# Allegro board REF_038HX-888005K4R-A100.brd (continued)
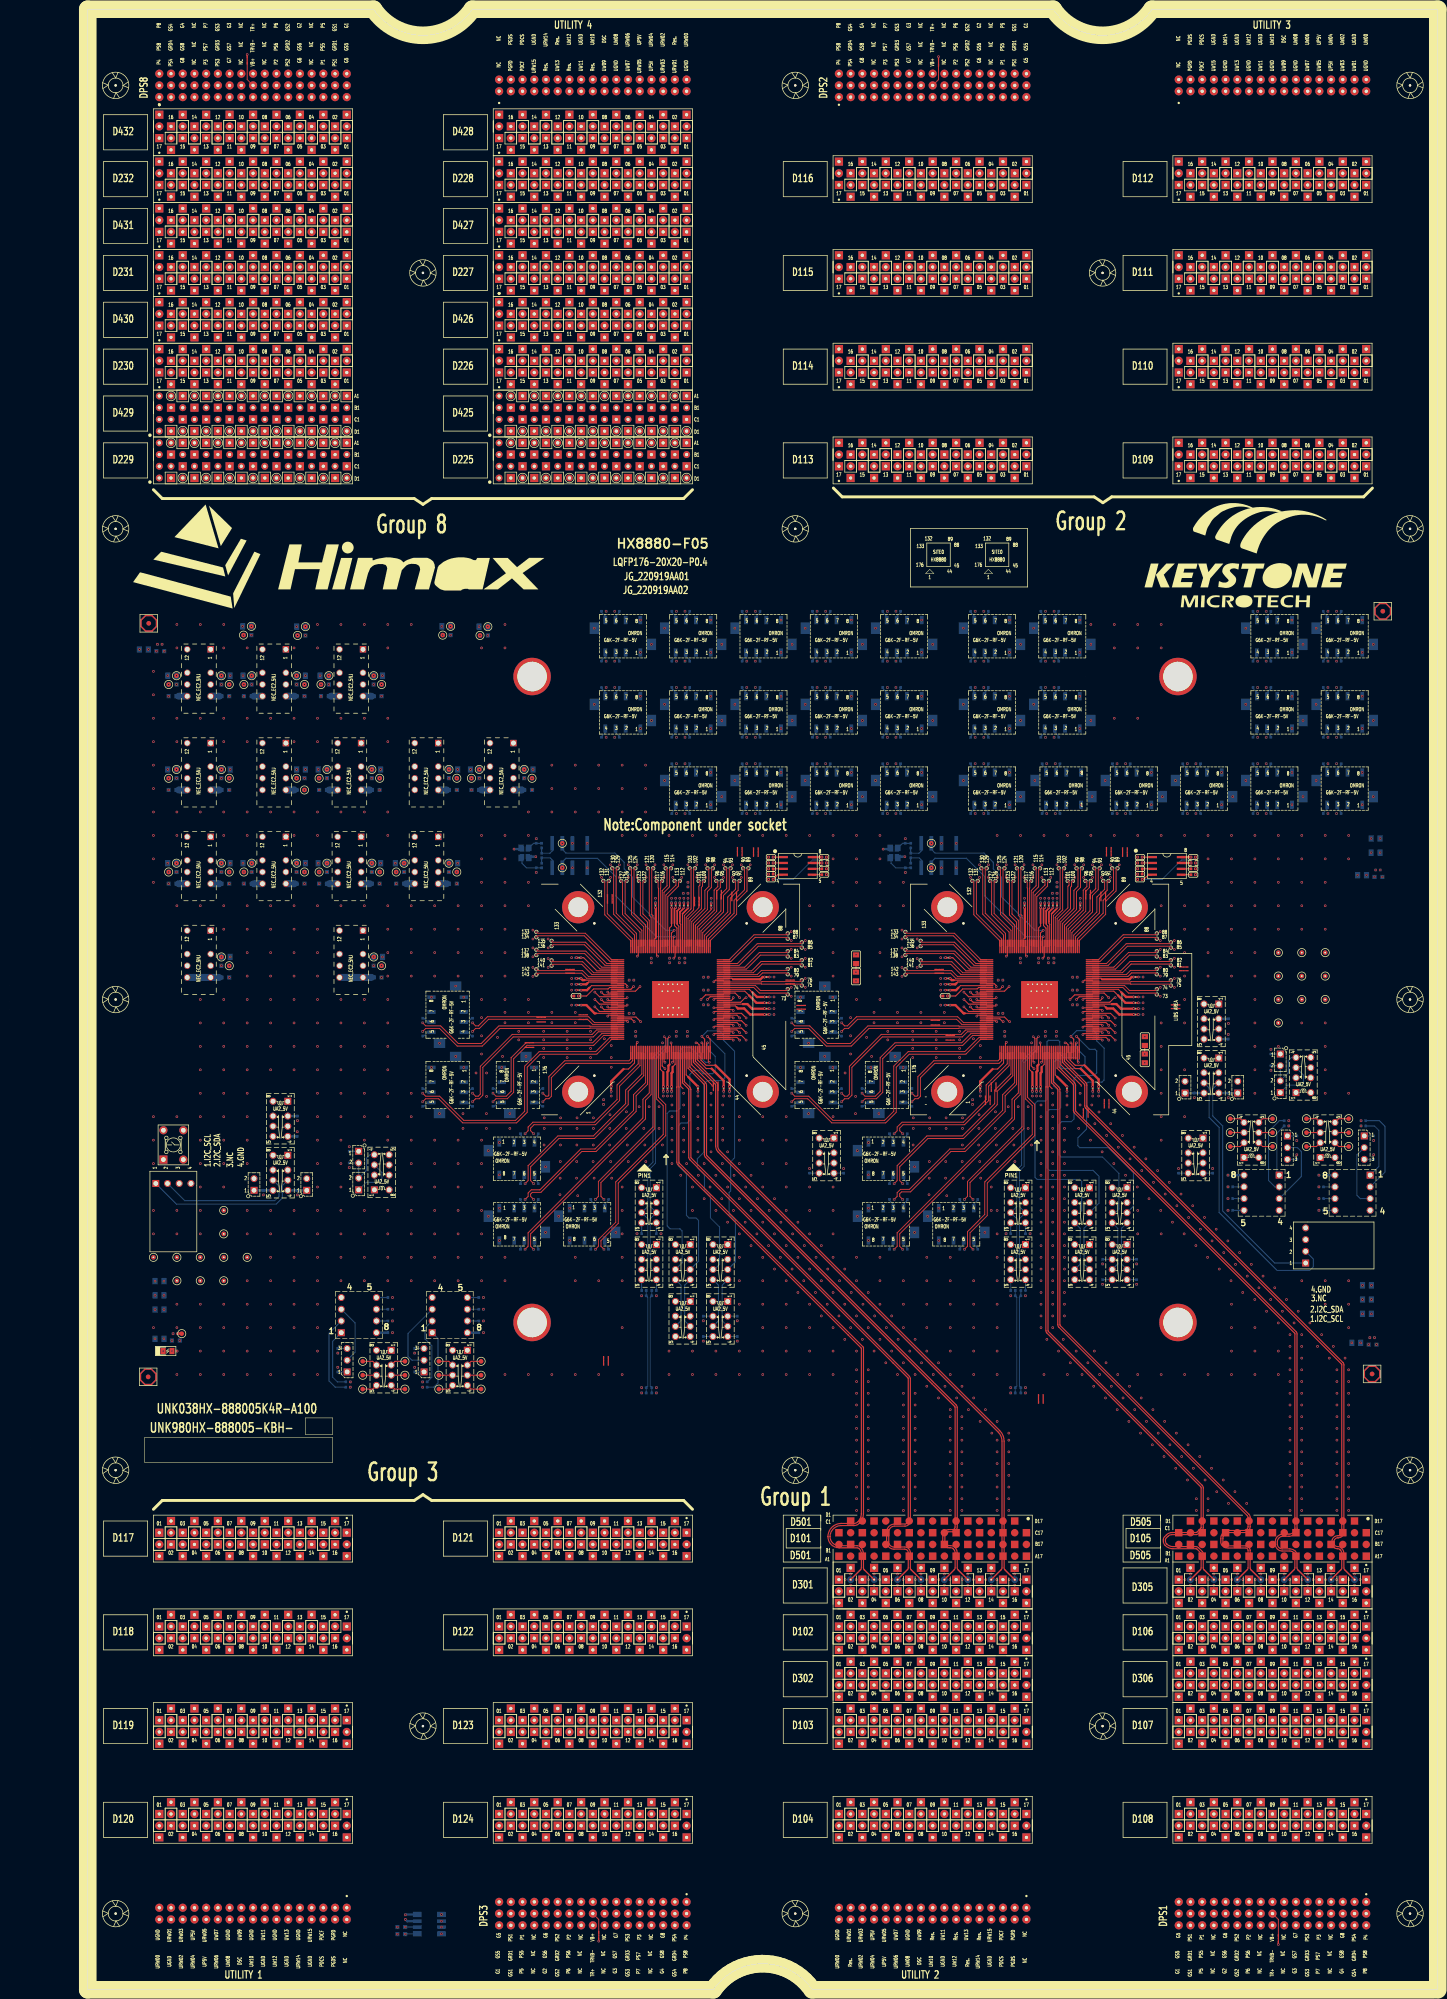
[diagram p0: board, top side]
## Routing (per net, layer and track width the routed paths; a pad name or vN(x,y) marks a point on that pad's centre or on a via; arc(x,y) is an arc through that point) (continued)
  BOTTOM w0.508: Y1.2 v1(97.12,245.58) ; Y1.4 v1(92.41,247.23) ; UNK2Y1.4 v1(172.41,247.23) ; UNK2Y1.2 v1(177.12,245.58)
  vias: v1(11.2,290.5) v1(14.24,285.75) v1(14.24,280.67) v1(14.24,275.59) v1(14.24,270.51) v1(14.24,265.43) v1(14.24,260.35) v1(14.24,255.27) v1(14.24,250.19) v1(14.24,245.11) v1(14.24,240.03) v1(14.24,189.23) v1(14.24,184.15) v1(14.24,179.07) v1(14.24,168.91) v1(14.24,163.83) v1(14.24,143.51) v1(14.59,153.59) v1(14.59,150.51) v1(14.59,147.42) v1(14.58,141.08) v1(17.34,284.81) v1(17.34,264.49) v1(17.34,244.17) v1(17.54,282.9) v1(17.54,280.36) v1(17.54,262.58) v1(17.54,260.04) v1(17.54,242.26) v1(17.54,239.72) v1(19.32,295.91) v1(19.32,290.83) v1(19.32,275.59) v1(19.32,270.51) v1(19.32,255.27) v1(19.32,250.19) v1(19.32,234.95) v1(19.32,189.23) v1(19.32,168.91) v1(19.32,163.83) v1(19.32,148.59) v1(19.32,143.51) v1(19.32,133.35) v1(24.4,295.91) v1(24.4,275.59) v1(24.4,255.27) v1(24.4,234.95) v1(24.4,214.63) v1(24.4,209.55) v1(24.4,204.47) v1(24.4,199.39) v1(24.4,194.31) v1(24.4,189.23) v1(24.4,184.15) v1(24.4,179.07) v1(24.4,173.99) v1(24.4,168.91) v1(24.4,163.83) v1(24.4,148.59) v1(24.4,143.51) v1(24.4,138.43) v1(24.4,133.35) v1(29.48,295.91) v1(29.48,290.83) v1(29.48,275.59) v1(29.48,270.51) v1(29.48,255.27) v1(29.48,250.19) v1(29.48,234.95) v1(29.48,229.87) v1(29.48,214.63) v1(29.48,209.55) v1(29.48,204.47) v1(29.48,199.39) v1(29.48,194.31) v1(29.48,189.23) v1(29.48,184.15) v1(29.48,179.07) v1(29.48,173.99) v1(29.48,148.59) v1(29.48,143.51) v1(29.48,138.43) v1(29.48,133.35) v1(30.67,282.9) v1(30.67,280.36) v1(30.67,262.58) v1(30.67,260.04) v1(30.67,242.26) v1(30.67,239.72) v1(30.67,221.94) v1(30.67,219.4) v1(30.87,284.81) v1(30.87,264.49) v1(30.87,244.17) v1(30.87,223.85) v1(33.57,295.51) v1(33.65,284.81) v1(33.65,244.17) v1(33.77,293.6) v1(33.85,282.9) v1(33.85,280.36) v1(33.85,242.26) v1(33.85,239.72) v1(34.56,290.83) v1(34.56,275.59) v1(34.56,270.51) v1(34.56,255.27) v1(34.56,250.19) v1(34.56,234.95) v1(34.56,229.87) v1(34.56,224.79) v1(34.56,219.71) v1(34.56,214.63) v1(34.56,209.55) v1(34.56,204.47) v1(34.56,199.39) v1(34.56,194.31) v1(34.56,189.23) v1(34.56,184.15) v1(34.56,179.07) v1(34.56,168.91) v1(34.56,163.83) v1(34.56,153.67) v1(34.56,148.59) v1(34.56,143.51) v1(34.56,138.43) v1(34.56,133.35) v1(39.64,275.59) v1(39.64,255.27) v1(39.64,234.95) v1(39.64,229.87) v1(39.64,224.79) v1(39.64,219.71) v1(39.64,214.63) v1(39.64,209.55) v1(39.64,204.47) v1(39.64,199.39) v1(39.64,168.91) v1(39.64,163.83) v1(39.64,158.75) v1(39.64,153.67) v1(39.64,148.59) v1(39.64,143.51) v1(39.64,138.43) v1(39.64,133.35) v1(44.72,290.83) v1(44.72,275.59) v1(44.72,270.51) v1(44.72,255.27) v1(44.72,250.19) v1(44.72,234.95) v1(44.72,229.87) v1(44.72,224.79) v1(44.72,219.71) v1(44.72,214.63) v1(44.72,209.55) v1(44.72,204.47) v1(44.72,199.39) v1(44.72,168.91) v1(44.72,163.83) v1(44.72,158.75) v1(44.72,153.67) v1(44.72,148.59) v1(44.72,143.51) v1(44.72,138.43) v1(44.72,133.35) v1(45.28,295.44) v1(45.41,185.97) v1(45.48,293.53) v1(46.98,282.9) v1(46.98,280.36) v1(46.98,262.58) v1(46.98,260.04) v1(46.98,242.26) v1(46.98,239.72) v1(47.18,284.81) v1(47.18,264.49) v1(47.18,244.17) v1(49.8,295.91) v1(49.8,290.83) v1(49.8,275.59) v1(49.8,270.51) v1(49.8,255.27) v1(49.8,250.19) v1(49.8,234.95) v1(49.8,229.87) v1(49.8,224.79) v1(49.8,219.71) v1(49.8,214.63) v1(49.8,209.55) v1(49.8,204.47) v1(49.8,199.39) v1(49.8,194.31) v1(49.8,189.23) v1(49.8,184.15) v1(49.8,179.07) v1(49.8,173.99) v1(49.8,168.91) v1(49.8,163.83) v1(49.8,158.75) v1(49.8,153.67) v1(49.8,148.59) v1(49.8,143.51) v1(49.8,138.43) v1(49.8,133.35) v1(49.95,264.49) v1(49.95,244.17) v1(50.15,262.58) v1(50.15,260.04) v1(50.15,242.26) v1(50.15,239.72) v1(50.36,284.81) v1(50.56,282.9) v1(50.56,280.36) v1(54.2,137.99) v1(54.88,295.91) v1(54.88,275.59) v1(54.88,255.27) v1(54.88,234.95) v1(54.88,214.63) v1(54.88,209.55) v1(54.88,204.47) v1(54.88,199.39) v1(54.88,194.31) v1(54.88,189.23) v1(54.88,184.15) v1(54.88,179.07) v1(54.88,173.99) v1(54.88,168.91) v1(54.88,163.83) v1(54.88,158.75) v1(54.88,153.67) v1(56.69,182.74) v1(59.96,295.91) v1(59.96,275.59) v1(59.96,255.27) v1(59.96,234.95) v1(59.96,214.63) v1(59.96,209.55) v1(59.96,204.47) v1(59.96,199.39) v1(59.96,194.31) v1(59.96,189.23) v1(59.96,184.15) v1(59.96,168.91) v1(59.96,163.83) v1(59.96,158.75) v1(59.96,153.67) v1(63.28,262.58) v1(63.28,260.04) v1(63.28,242.26) v1(63.28,239.72) v1(63.48,264.49) v1(63.48,244.17) v1(63.69,282.9) v1(63.69,280.36) v1(63.69,221.94) v1(63.69,219.4) v1(63.89,284.81) v1(63.89,223.85) v1(65.04,295.91) v1(65.04,290.83) v1(65.04,275.59) v1(65.04,270.51) v1(65.04,255.27) v1(65.04,250.19) v1(65.04,234.95) v1(65.04,229.87) v1(65.04,224.79) v1(65.04,219.71) v1(65.04,214.63) v1(65.04,209.55) v1(65.04,204.47) v1(65.04,199.39) v1(65.04,194.31) v1(65.04,189.23) v1(65.04,184.15) v1(65.04,168.91) v1(65.04,163.83) v1(65.04,158.75) v1(65.04,153.67) v1(66.06,142.42) v1(66.67,244.17) v1(66.87,242.26) v1(66.87,239.72) v1(70.12,295.91) v1(70.12,234.95) v1(70.12,229.87) v1(70.12,224.79) v1(70.12,219.71) v1(70.12,194.31) v1(70.12,189.23) v1(70.12,184.15) v1(70.12,179.07) v1(70.12,173.99) v1(70.12,168.91) v1(70.12,163.83) v1(70.12,158.75) v1(70.12,153.67) v1(70.86,137.99) v1(75.2,234.95) v1(75.2,229.87) v1(75.2,224.79) v1(75.2,219.71) v1(75.2,184.15) v1(75.2,179.07) v1(75.2,173.99) v1(75.2,168.91) v1(75.2,163.83) v1(75.2,158.75) v1(75.2,153.67) v1(76.25,205.14) v1(76.25,189.9) v1(76.75,295.51) v1(76.95,293.6) v1(79.75,217.54) v1(79.75,202.3) v1(80,262.58) v1(80,260.04) v1(80,242.26) v1(80,239.72) v1(80.2,264.49) v1(80.2,244.17) v1(80.28,234.95) v1(80.28,229.87) v1(80.28,224.79) v1(80.28,219.71) v1(80.28,184.15) v1(80.28,179.07) v1(80.28,173.99) v1(80.28,168.91) v1(80.28,163.83) v1(80.28,158.75) v1(80.28,153.67) v1(81.33,189.9) v1(81.33,186.69) v1(82.97,264.49) v1(83.17,262.58) v1(83.17,260.04) v1(84.16,198.7) v1(84.83,295.44) v1(85.03,293.53) v1(85.36,290.83) v1(85.36,250.19) v1(85.36,245.11) v1(85.36,240.03) v1(85.36,234.95) v1(85.36,229.87) v1(85.36,224.79) v1(85.36,219.71) v1(85.36,214.63) v1(85.36,210.69) v1(85.36,206.76) v1(85.36,202.82) v1(85.36,184.15) v1(85.36,179.07) v1(85.36,173.99) v1(85.36,168.91) v1(85.36,163.83) v1(85.36,158.75) v1(85.36,153.67) v1(85.77,142.42) v1(86.45,198.7) v1(86.45,193.62) v1(86.41,189.9) v1(86.41,186.69) v1(86.83,181.87) v1(86.83,167.65) v1(88.82,206.41) v1(89.91,202.3) v1(90.44,295.91) v1(90.44,290.83) v1(90.44,250.19) v1(90.44,245.11) v1(90.44,240.03) v1(90.44,234.95) v1(90.44,229.87) v1(90.44,224.79) v1(90.44,219.71) v1(90.44,214.63) v1(90.44,211.84) v1(90.44,209.58) v1(90.44,158.75) v1(90.44,153.67) v1(90.44,133.35) v1(91.49,189.9) v1(91.49,186.69) v1(93.42,207.73) v1(93.42,205.88) v1(94.99,202.3) v1(95.52,255.27) v1(95.52,250.19) v1(95.52,240.03) v1(95.52,234.95) v1(95.52,214.63) v1(95.52,211.84) v1(95.52,209.58) v1(95.52,133.35) v1(96.3,262.58) v1(96.3,260.04) v1(96.5,264.49) v1(96.49,229.67) v1(96.49,227.74) v1(96.49,225.81) v1(96.49,223.88) v1(96.49,221.57) v1(96.49,219.64) v1(97.22,249.49) v1(97.22,242.17) v1(98.83,207.74) v1(98.83,205.89) v1(98.83,204.03) v1(98.83,202.05) v1(98.95,188.98) v1(98.95,186.69) v1(98.91,183.1) v1(99.23,178.37) v1(99.23,164.15) v1(99.79,227.74) v1(99.79,225.81) v1(99.79,223.5) v1(99.79,221.57) v1(100.6,265.43) v1(100.6,260.35) v1(100.6,255.27) v1(100.6,211.84) v1(100.6,209.59) v1(100.6,133.35) v1(102.07,167.65) v1(102.36,172.32) v1(102.47,183.1) v1(102.43,179.51) v1(102.4,175.91) v1(102.5,188.98) v1(102.5,186.69) v1(103.91,207.74) v1(103.91,205.89) v1(103.91,204.03) v1(103.91,202.05) v1(105.68,265.43) v1(105.68,260.35) v1(105.68,255.27) v1(105.68,211.84) v1(105.68,158.75) v1(105.68,153.67) v1(105.68,133.35) v1(105.95,175.91) v1(106.06,188.98) v1(106.06,186.69) v1(106.02,183.1) v1(105.99,179.51) v1(106.21,172.1) v1(108.99,207.74) v1(108.99,205.89) v1(108.99,204.03) v1(108.99,202.05) v1(109.54,179.51) v1(109.62,188.98) v1(109.62,186.69) v1(109.58,183.1) v1(109.76,175.91) v1(109.8,295.11) v1(109.8,278.6) v1(110.76,265.43) v1(110.76,260.35) v1(110.76,255.27) v1(110.76,153.67) v1(111.38,241.09) v1(111.81,191.9) v1(113.14,183.1) v1(113.21,189.65) v1(113.17,186.69) v1(113.31,243.82) v1(113.31,241.09) v1(113.35,179.51) v1(113.48,204.65) v1(113.48,202.05) v1(113.48,199.95) v1(113.57,175.91) v1(114.47,164.15) v1(115.24,243.82) v1(115.24,241.09) v1(115.84,265.43) v1(115.84,260.35) v1(115.84,255.27) v1(115.84,250.19) v1(115.84,173.99) v1(115.84,168.91) v1(115.84,163.83) v1(115.84,158.75) v1(115.84,153.67) v1(115.84,143.51) v1(115.84,133.35) v1(116.76,190.28) v1(116.73,186.69) v1(116.95,183.1) v1(117.17,243.82) v1(117.17,241.09) v1(117.16,179.51) v1(119.06,163.88) v1(119.1,243.82) v1(119.1,241.09) v1(119.52,191.39) v1(120.06,150.42) v1(120.54,186.69) v1(120.76,183.1) v1(120.92,265.43) v1(120.92,260.35) v1(120.92,255.27) v1(120.92,250.19) v1(121.03,243.82) v1(121.03,241.09) v1(120.97,179.51) v1(121.68,191.39) v1(122.2,291.61) v1(122.2,275.1) v1(122.95,243.82) v1(122.95,241.09) v1(123.26,150.42) v1(123.84,191.39) v1(123.84,186.69) v1(124.26,163.88) v1(124.57,183.1) v1(124.59,205.23) v1(124.88,243.82) v1(124.88,241.09) v1(125.04,295.11) v1(125.04,278.6) v1(125.04,262.09) v1(126,250.19) v1(126,138.43) v1(126,133.35) v1(126.63,191.77) v1(126.63,189.23) v1(126.63,186.69) v1(126.63,184.15) v1(126.63,181.61) v1(126.63,179.07) v1(126.81,243.82) v1(126.81,241.09) v1(128.54,176.53) v1(128.74,241.09) v1(129.17,194.31) v1(129.17,191.77) v1(129.17,189.23) v1(129.17,186.69) v1(129.17,184.15) v1(129.17,181.61) v1(129.81,179.07) v1(130.09,243.82) v1(130.1,239.03) v1(130.1,237.66) v1(131.08,250.19) v1(131.08,173.99) v1(131.08,168.91) v1(131.08,138.43) v1(131.08,133.35) v1(132.02,243.82) v1(132.02,241.09) v1(132.26,191.77) v1(132.26,189.23) v1(132.26,186.69) v1(132.26,184.15) v1(132.26,181.61) v1(132.35,176.53) v1(133.62,179.07) v1(133.62,171.45) v1(133.95,243.82) v1(133.95,241.09) v1(134.89,173.99) v1(135.11,194.31) v1(135.11,191.77) v1(135.11,189.23) v1(135.11,186.69) v1(135.11,184.15) v1(135.11,181.61) v1(135.88,243.82) v1(135.88,241.09) v1(136.16,250.19) v1(136.16,176.53) v1(136.16,168.91) v1(136.16,138.43) v1(136.16,133.35) v1(137.44,291.61) v1(137.44,275.1) v1(137.44,258.59) v1(137.43,171.45) v1(137.56,179.07) v1(137.65,191.77) v1(137.65,189.23) v1(137.65,186.69) v1(137.65,184.15) v1(137.81,243.82) v1(137.81,241.09) v1(138.7,181.61) v1(138.7,173.99) v1(138.7,166.37) v1(139.74,241.09) v1(139.97,168.91) v1(140.1,176.53) v1(140.28,295.11) v1(140.28,278.6) v1(140.28,262.09) v1(141.24,250.19) v1(141.24,189.23) v1(141.24,184.15) v1(141.24,179.07) v1(141.24,171.45) v1(141.24,163.83) v1(141.24,158.75) v1(141.24,153.67) v1(141.24,148.59) v1(141.24,138.43) v1(141.24,133.35) v1(141.67,243.82) v1(141.67,241.09) v1(142.51,166.37) v1(142.64,173.99) v1(143.78,176.53) v1(143.78,168.91) v1(143.78,161.29) v1(145.05,163.83) v1(145.18,171.45) v1(146.32,250.19) v1(146.32,189.23) v1(146.32,184.15) v1(146.32,179.07) v1(146.32,173.99) v1(146.32,166.37) v1(146.32,158.75) v1(146.32,153.67) v1(146.32,148.59) v1(146.32,143.51) v1(146.32,138.43) v1(146.32,133.35) v1(147.57,241.81) v1(147.57,240.67) v1(147.59,161.29) v1(147.72,168.91) v1(148.86,171.45) v1(148.86,163.83) v1(148.86,156.21) v1(150.13,158.75) v1(150.26,166.37) v1(151.4,250.19) v1(151.4,189.23) v1(151.4,184.15) v1(151.4,179.07) v1(151.4,173.99) v1(151.4,168.91) v1(151.4,161.29) v1(151.4,153.67) v1(151.4,148.59) v1(151.4,143.51) v1(151.4,138.43) v1(151.4,133.35) v1(152.49,229.34) v1(152.49,227.41) v1(152.49,225.48) v1(152.49,223.56) v1(152.49,219.7) v1(152.49,217.27) v1(152.67,156.21) v1(152.68,291.61) v1(152.68,275.1) v1(152.68,258.59) v1(152.8,163.83) v1(153.94,166.37) v1(153.94,158.75) v1(153.94,151.13) v1(155.21,153.67) v1(155.34,161.29) v1(155.52,295.11) v1(155.52,278.6) v1(155.52,262.09) v1(155.53,227.41) v1(155.53,225.48) v1(155.53,223.56) v1(155.53,221.63) v1(155.53,219.19) v1(155.53,217.27) v1(156.25,205.14) v1(156.25,189.9) v1(156.48,250.19) v1(156.48,234.95) v1(156.48,229.87) v1(156.48,173.99) v1(156.48,168.91) v1(156.48,163.83) v1(156.48,156.21) v1(156.48,148.59) v1(156.48,143.51) v1(156.48,138.43) v1(156.48,133.35) v1(157.75,151.13) v1(157.88,158.75) v1(159.02,161.29) v1(159.02,153.67) v1(159.02,146.05) v1(159.75,217.54) v1(159.75,202.3) v1(160.29,148.59) v1(160.42,156.21) v1(161.56,250.19) v1(161.56,245.11) v1(161.56,240.03) v1(161.56,234.95) v1(161.56,229.87) v1(161.56,224.79) v1(161.56,219.71) v1(161.56,189.23) v1(161.56,173.99) v1(161.56,168.91) v1(161.56,163.83) v1(161.56,158.75) v1(161.56,151.13) v1(161.56,143.51) v1(161.56,138.43) v1(161.56,133.35) v1(162.83,146.05) v1(162.96,153.67) v1(164.16,198.7) v1(164.1,156.21) v1(164.1,148.59) v1(164.1,140.97) v1(164.16,88.9) v1(165.36,210.69) v1(165.36,206.76) v1(165.36,202.82) v1(165.37,143.51) v1(165.37,90.11) v1(165.37,87.69) v1(165.5,151.13) v1(166.45,193.62) v1(166.41,189.9) v1(166.54,224.32) v1(166.64,250.19) v1(166.64,245.11) v1(166.64,240.03) v1(166.64,234.95) v1(166.64,229.87) v1(166.64,214.63) v1(166.64,158.75) v1(166.64,153.67) v1(166.64,146.05) v1(166.64,138.43) v1(166.64,134.37) v1(166.64,131.83) v1(166.64,129.29) v1(166.64,126.75) v1(166.64,124.21) v1(166.64,121.67) v1(166.64,119.13) v1(166.64,116.59) v1(166.64,114.05) v1(166.64,111.51) v1(166.64,108.97) v1(166.64,106.43) v1(166.64,103.89) v1(166.58,88.9) v1(166.83,181.87) v1(166.83,167.65) v1(167.92,291.61) v1(167.92,275.1) v1(167.92,258.59) v1(167.91,140.97) v1(168.04,148.59) v1(168.82,206.41) v1(169.18,151.13) v1(169.18,143.51) v1(169.18,134.37) v1(169.18,131.83) v1(169.18,129.29) v1(169.18,126.75) v1(169.18,124.21) v1(169.18,121.67) v1(169.18,119.13) v1(169.18,116.59) v1(169.18,114.05) v1(169.18,111.51) v1(169.18,108.97) v1(169.18,106.43) v1(169.18,103.89) v1(169.24,88.9) v1(169.91,202.3) v1(170.44,211.84) v1(170.44,209.58) v1(170.45,138.43) v1(170.45,90.11) v1(170.45,87.69) v1(170.58,146.05) v1(170.76,295.11) v1(170.76,278.6) v1(170.76,262.09) v1(171.49,189.9) v1(171.66,88.9) v1(171.72,250.19) v1(171.72,245.11) v1(171.72,240.03) v1(171.72,234.95) v1(171.72,229.87) v1(171.72,224.79) v1(171.72,219.71) v1(171.72,214.63) v1(171.72,158.75) v1(171.72,153.67) v1(171.72,148.59) v1(171.72,140.97) v1(172.99,135.89) v1(173.12,143.51) v1(173.42,207.73) v1(173.42,205.88) v1(174.26,146.05) v1(174.26,138.43) v1(174.32,88.9) v1(174.99,202.3) v1(175.52,211.84) v1(175.52,209.58) v1(175.53,133.35) v1(175.53,90.11) v1(175.53,87.69) v1(175.66,140.97) v1(176.49,229.67) v1(176.49,227.74) v1(176.49,225.81) v1(176.49,223.88) v1(176.49,221.57) v1(176.49,219.64) v1(176.74,88.9) v1(176.8,240.03) v1(176.8,234.95) v1(176.8,153.67) v1(176.8,148.59) v1(176.8,143.51) v1(176.8,135.89) v1(176.81,129.29) v1(176.81,126.75) v1(176.81,124.21) v1(176.81,121.67) v1(176.81,119.13) v1(176.81,116.59) v1(176.81,114.05) v1(176.81,111.51) v1(176.81,108.97) v1(176.81,106.43) v1(176.81,103.89) v1(177.22,249.49) v1(177.22,242.17) v1(178.2,138.43) v1(178.83,207.74) v1(178.83,205.89) v1(178.83,204.03) v1(178.83,202.05) v1(178.95,188.98) v1(178.95,186.69) v1(178.91,183.1) v1(179.23,178.37) v1(179.23,164.15) v1(179.34,140.97) v1(179.34,133.35) v1(179.35,129.29) v1(179.35,126.75) v1(179.35,124.21) v1(179.35,121.67) v1(179.35,119.13) v1(179.35,116.59) v1(179.35,114.05) v1(179.35,111.51) v1(179.35,108.97) v1(179.35,106.43) v1(179.35,103.89) v1(179.4,88.9) v1(179.79,227.74) v1(179.79,225.81) v1(179.79,223.5) v1(179.79,221.57) v1(180.6,211.84) v1(180.6,209.59) v1(180.61,90.11) v1(180.61,87.69) v1(180.74,135.89) v1(181.82,88.9) v1(181.88,158.75) v1(181.88,153.67) v1(181.88,148.59) v1(181.88,143.51) v1(181.88,138.43) v1(181.88,130.81) v1(182.07,167.65) v1(182.36,172.32) v1(182.43,179.51) v1(182.4,175.91) v1(182.5,188.98) v1(182.5,186.69) v1(183.16,291.61) v1(183.16,275.1) v1(183.16,258.59) v1(183.28,133.35) v1(183.91,207.74) v1(183.91,205.89) v1(183.91,204.03) v1(183.91,202.05) v1(184.42,135.89) v1(184.42,128.27) v1(184.48,88.9) v1(185.68,211.84) v1(185.69,90.11) v1(185.69,87.69) v1(185.82,130.81) v1(185.95,175.91) v1(186.06,188.98) v1(186.06,186.69) v1(185.99,179.51) v1(186.21,172.1) v1(186.96,158.75) v1(186.96,153.67) v1(186.96,148.59) v1(186.96,143.51) v1(186.96,138.43) v1(186.96,133.35) v1(186.96,125.73) v1(186.94,124.21) v1(186.94,121.67) v1(186.94,119.13) v1(186.94,116.59) v1(186.94,114.05) v1(186.94,111.51) v1(186.94,108.97) v1(186.94,106.43) v1(186.94,103.89) v1(186.9,88.9) v1(188.36,128.27) v1(188.99,207.74) v1(188.99,204.03) v1(188.99,202.05) v1(189.54,179.51) v1(189.5,130.81) v1(189.48,124.21) v1(189.48,121.67) v1(189.48,119.13) v1(189.48,116.59) v1(189.48,114.05) v1(189.48,111.51) v1(189.48,108.97) v1(189.48,106.43) v1(189.48,103.89) v1(189.56,88.9) v1(189.62,188.98) v1(189.62,186.69) v1(189.58,183.1) v1(189.76,175.91) v1(189.8,295.11) v1(189.8,278.6) v1(189.8,262.09) v1(190.77,90.11) v1(190.77,87.69) v1(190.9,125.73) v1(191.38,241.09) v1(191.81,191.9) v1(191.98,206.12) v1(192.04,153.67) v1(192.04,148.59) v1(192.04,143.51) v1(192.04,138.43) v1(192.04,133.35) v1(192.04,128.27) v1(191.98,88.9) v1(193.14,183.1) v1(193.21,189.65) v1(193.17,186.69) v1(193.31,243.82) v1(193.31,241.09) v1(193.35,179.51) v1(193.44,123.19) v1(193.48,204.65) v1(193.48,202.05) v1(193.48,199.95) v1(193.57,175.91) v1(194.47,164.15) v1(194.58,125.73) v1(194.64,88.9) v1(195.24,243.82) v1(195.24,241.09) v1(195.84,173.99) v1(195.84,168.91) v1(195.85,90.11) v1(195.85,87.69) v1(195.98,120.65) v1(196.76,190.28) v1(196.73,186.69) v1(196.95,183.1) v1(197.06,88.9) v1(197.12,250.19) v1(197.17,243.82) v1(197.17,241.09) v1(197.16,179.51) v1(197.12,168.91) v1(197.12,163.83) v1(197.12,158.75) v1(197.12,153.67) v1(197.12,148.59) v1(197.12,143.51) v1(197.12,138.43) v1(197.12,133.35) v1(197.12,123.19) v1(197.12,119.13) v1(197.12,116.59) v1(197.12,114.05) v1(197.12,111.51) v1(197.12,108.97) v1(197.12,106.43) v1(197.12,103.89) v1(199.06,163.88) v1(199.1,243.82) v1(199.1,241.09) v1(199.52,191.39) v1(199.66,120.65) v1(199.66,119.13) v1(199.66,116.59) v1(199.66,114.05) v1(199.66,111.51) v1(199.66,108.97) v1(199.66,106.43) v1(199.66,103.89) v1(199.72,88.9) v1(200.06,150.42) v1(200.54,186.69) v1(200.76,183.1) v1(200.93,90.11) v1(200.93,87.69) v1(201.03,243.82) v1(201.03,241.09) v1(200.97,179.51) v1(201.68,191.39) v1(202.14,88.9) v1(202.2,291.61) v1(202.2,275.1) v1(202.2,258.59) v1(202.2,250.19) v1(202.95,243.82) v1(202.95,241.09) v1(203.26,150.42) v1(203.84,191.39) v1(203.84,186.69) v1(204.26,163.88) v1(204.57,183.1) v1(204.59,205.23) v1(204.88,243.82) v1(204.88,241.09) v1(205.04,295.11) v1(205.04,278.6) v1(205.3,262.09) v1(206.63,191.77) v1(206.63,189.23) v1(206.63,186.69) v1(206.63,184.15) v1(206.63,181.61) v1(206.63,179.07) v1(206.63,176.53) v1(206.63,173.99) v1(206.63,171.45) v1(206.63,168.91) v1(206.63,166.37) v1(206.63,163.83) v1(206.63,161.29) v1(206.63,158.75) v1(206.63,156.21) v1(206.63,153.67) v1(206.63,151.13) v1(206.63,148.59) v1(206.63,146.05) v1(206.63,143.51) v1(206.81,243.82) v1(206.81,241.09) v1(207.28,250.19) v1(207.9,140.97) v1(208.74,241.09) v1(209.17,194.31) v1(209.17,191.77) v1(209.17,189.23) v1(209.17,186.69) v1(209.17,184.15) v1(209.17,181.61) v1(209.17,179.07) v1(209.17,176.53) v1(209.17,173.99) v1(209.17,171.45) v1(209.17,168.91) v1(209.17,166.37) v1(209.17,163.83) v1(209.17,161.29) v1(209.17,158.75) v1(209.17,156.21) v1(209.17,153.67) v1(209.17,151.13) v1(209.17,148.59) v1(209.17,146.05) v1(209.17,143.51) v1(210.09,243.82) v1(210.1,239.03) v1(210.1,237.66) v1(210.44,138.43) v1(211.46,140.97) v1(211.71,186.69) v1(211.71,184.15) v1(211.71,181.61) v1(211.71,179.07) v1(211.71,176.53) v1(211.71,173.99) v1(211.71,171.45) v1(211.71,168.91) v1(211.71,166.37) v1(211.71,163.83) v1(211.71,161.29) v1(211.71,158.75) v1(211.71,156.21) v1(211.71,153.67) v1(211.71,151.13) v1(211.71,148.59) v1(211.71,146.05) v1(212.02,243.82) v1(212.02,241.09) v1(212.26,191.77) v1(212.26,189.23) v1(212.36,250.19) v1(212.36,133.35) v1(212.98,135.89) v1(213.95,243.82) v1(213.95,241.09) v1(214.25,138.43) v1(214.8,186.69) v1(215.11,194.31) v1(215.11,191.77) v1(215.52,133.35) v1(215.88,243.82) v1(215.88,241.09) v1(216.79,135.89) v1(217.34,184.15) v1(217.44,295.91) v1(217.44,291.61) v1(217.44,275.1) v1(217.44,250.19) v1(217.65,191.77) v1(217.7,258.59) v1(217.81,243.82) v1(217.81,241.09) v1(218.06,130.81) v1(218.19,138.43) v1(218.31,187.71) v1(219.2,190.25) v1(219.33,133.35) v1(219.74,241.09) v1(219.88,181.61) v1(220.54,262.09) v1(220.73,135.89) v1(220.85,185.17) v1(221.67,243.82) v1(221.67,241.09) v1(221.74,187.71) v1(221.87,130.81) v1(222.42,179.07) v1(222.52,295.91) v1(222.52,290.83) v1(222.52,275.59) v1(222.52,250.19) v1(223.27,133.35) v1(223.39,182.63) v1(224.28,185.17) v1(224.96,176.53) v1(225.81,130.81) v1(225.93,180.09) v1(226.82,182.63) v1(227.5,173.99) v1(227.6,295.91) v1(227.6,290.83) v1(227.6,275.59) v1(227.6,250.19) v1(227.57,241.81) v1(227.57,240.67) v1(227.6,168.91) v1(227.6,163.83) v1(227.6,133.35) v1(228.47,177.55) v1(229.15,206.57) v1(229.36,180.09) v1(230.04,171.45) v1(230.76,118.11) v1(230.89,125.73) v1(231.01,175.01) v1(231.9,177.55) v1(232.03,120.65) v1(232.49,229.34) v1(232.49,227.41) v1(232.49,225.48) v1(232.49,223.56) v1(232.49,221.63) v1(232.49,219.7) v1(232.49,217.27) v1(232.58,168.91) v1(232.68,295.91) v1(232.68,290.83) v1(232.68,250.19) v1(232.68,234.95) v1(232.68,209.55) v1(232.68,199.39) v1(232.68,194.31) v1(232.68,189.23) v1(232.68,184.15) v1(232.68,163.83) v1(232.68,133.35) v1(232.94,258.59) v1(233.3,115.57) v1(233.43,123.19) v1(233.55,172.47) v1(234.44,175.01) v1(234.57,118.11) v1(235.12,166.37) v1(235.53,227.41) v1(235.53,225.48) v1(235.53,223.56) v1(235.53,219.19) v1(235.53,217.27) v1(235.78,262.09) v1(235.84,113.03) v1(235.97,120.65) v1(236.09,169.93) v1(236.98,172.47) v1(237.11,115.57) v1(237.66,163.83) v1(237.76,250.19) v1(237.76,234.95) v1(237.76,229.87) v1(237.76,224.79) v1(237.76,219.71) v1(237.76,214.63) v1(237.76,209.55) v1(237.76,199.39) v1(237.76,189.23) v1(237.76,133.35) v1(237.82,88.9) v1(238.38,110.49) v1(238.51,118.11) v1(238.63,167.39) v1(239.03,90.11) v1(239.03,87.69) v1(239.52,169.93) v1(239.65,113.03) v1(240.2,161.29) v1(240.24,88.9) v1(240.3,106.43) v1(240.3,103.89) v1(241.05,115.57) v1(241.17,164.85) v1(242.06,167.39) v1(242.19,110.49) v1(242.74,158.75) v1(242.84,250.19) v1(242.84,245.11) v1(242.84,240.03) v1(242.84,234.95) v1(242.84,229.87) v1(242.84,224.79) v1(242.84,219.71) v1(242.84,133.35) v1(242.84,106.43) v1(242.84,103.89) v1(242.9,88.9) v1(243.59,113.03) v1(243.71,162.31) v1(244.11,90.11) v1(244.11,87.69) v1(244.6,164.85) v1(244.73,107.95) v1(245.28,156.21) v1(245.32,88.9) v1(246.13,110.49) v1(246.25,159.77) v1(247.17,176.56) v1(247.14,162.31) v1(247.22,207.05) v1(247.27,105.41) v1(247.82,153.67) v1(247.92,250.19) v1(247.92,245.11) v1(247.92,240.03) v1(247.92,234.95) v1(247.92,229.87) v1(247.92,224.79) v1(247.92,219.71) v1(247.92,148.59) v1(247.92,143.51) v1(247.92,138.43) v1(247.92,133.35) v1(247.98,88.9) v1(248.18,258.59) v1(248.67,107.95) v1(248.79,157.23) v1(249.19,90.11) v1(249.19,87.69) v1(249.68,159.77) v1(250.36,151.13) v1(250.4,88.9) v1(251.02,295.11) v1(251.02,278.6) v1(251.02,262.09) v1(251.21,105.41) v1(251.33,154.69) v1(252.22,157.23) v1(253,250.19) v1(253,245.11) v1(253,240.03) v1(253,234.95) v1(253,229.87) v1(253,224.79) v1(253,219.71) v1(253,214.63) v1(253,209.55) v1(253,204.47) v1(253,199.39) v1(253,194.31) v1(252.98,149.61) v1(253,143.51) v1(253,138.43) v1(253,133.35) v1(253.06,88.9) v1(253.87,152.15) v1(254.27,90.11) v1(254.27,87.69) v1(254.76,154.69) v1(255.52,147.07) v1(255.48,88.9) v1(256.41,149.61) v1(256.47,203.82) v1(257.3,152.15) v1(258.06,144.53) v1(258.08,250.19) v1(258.08,245.11) v1(258.08,240.03) v1(258.08,234.95) v1(258.08,229.87) v1(258.08,204.47) v1(258.08,138.43) v1(258.08,133.35) v1(258.14,88.9) v1(258.95,147.07) v1(259.35,90.11) v1(259.35,87.69) v1(259.84,149.61) v1(260.56,88.9) v1(260.6,141.99) v1(260.6,139.45) v1(260.6,136.91) v1(260.6,134.37) v1(260.6,131.83) v1(260.6,129.29) v1(260.6,126.75) v1(260.6,124.21) v1(260.6,121.67) v1(260.6,119.13) v1(260.6,116.59) v1(260.6,114.05) v1(260.6,111.51) v1(260.6,108.97) v1(260.6,106.43) v1(260.6,103.89) v1(261.49,144.53) v1(262.07,180.99) v1(262.38,147.07) v1(263.16,250.19) v1(263.16,245.11) v1(263.16,240.03) v1(263.16,234.95) v1(263.16,229.87) v1(263.16,209.55) v1(263.16,153.67) v1(263.14,141.99) v1(263.14,139.45) v1(263.14,136.91) v1(263.14,134.37) v1(263.14,131.83) v1(263.14,129.29) v1(263.14,126.75) v1(263.14,124.21) v1(263.14,121.67) v1(263.14,119.13) v1(263.14,116.59) v1(263.14,114.05) v1(263.14,111.51) v1(263.14,108.97) v1(263.14,106.43) v1(263.14,103.89) v1(263.22,88.9) v1(263.42,291.61) v1(263.42,275.1) v1(263.42,258.59) v1(264.43,90.11) v1(264.43,87.69) v1(264.92,144.53) v1(265.64,88.9) v1(266.26,295.11) v1(266.26,278.6) v1(266.26,262.09) v1(266.57,139.45) v1(266.88,176.56) v1(267.46,141.99) v1(268.24,250.19) v1(268.24,245.11) v1(268.24,240.03) v1(268.24,234.95) v1(268.24,229.87) v1(268.24,209.55) v1(268.24,204.47) v1(268.24,199.39) v1(268.24,194.31) v1(268.24,153.67) v1(268.24,148.59) v1(268.3,88.9) v1(269.11,136.91) v1(269.51,90.11) v1(269.51,87.69) v1(270,139.45) v1(270.72,88.9) v1(270.78,134.37) v1(270.78,131.83) v1(270.78,129.29) v1(270.78,126.75) v1(270.78,124.21) v1(270.78,121.67) v1(270.78,119.13) v1(270.78,116.59) v1(270.78,114.05) v1(270.78,111.51) v1(270.78,108.97) v1(270.78,106.43) v1(270.78,103.89) v1(272.54,136.91) v1(273.32,250.19) v1(273.32,245.11) v1(273.32,194.31) v1(273.32,153.67) v1(273.32,148.59) v1(273.32,143.51) v1(273.32,134.37) v1(273.32,131.83) v1(273.32,129.29) v1(273.32,126.75) v1(273.32,124.21) v1(273.32,121.67) v1(273.32,119.13) v1(273.32,116.59) v1(273.32,114.05) v1(273.32,111.51) v1(273.32,108.97) v1(273.32,106.43) v1(273.32,103.89) v1(273.38,88.9) v1(274,140.21) v1(274.59,90.11) v1(274.59,87.69) v1(275.8,88.9) v1(276.33,152.67) v1(276.33,149.59) v1(276.33,146.5) v1(278.66,291.61) v1(278.66,275.1) v1(278.66,258.59) v1(278.74,180.99) v2(275.26,241.58) v2(278.21,249.53) v2(278.21,246.45) v3(220.6,128.27) v3(223.14,125.73) v3(224.41,128.27) v3(225.68,123.19) v3(226.95,125.73) v3(228.22,120.65) v3(228.35,128.27) v3(229.49,123.19)
